# Altium PCB Motion_Driver_v2.PcbDoc (part 1 of 2)
Units mil, origin at the board's own origin, x right, y up, seen from the top; angles counter-clockwise.
Board outline 3947.73 x 2945.74 mil, 2 copper layers (Top Layer, Bottom Layer); 132 components, 83 nets, 409 pads, 694 vias.
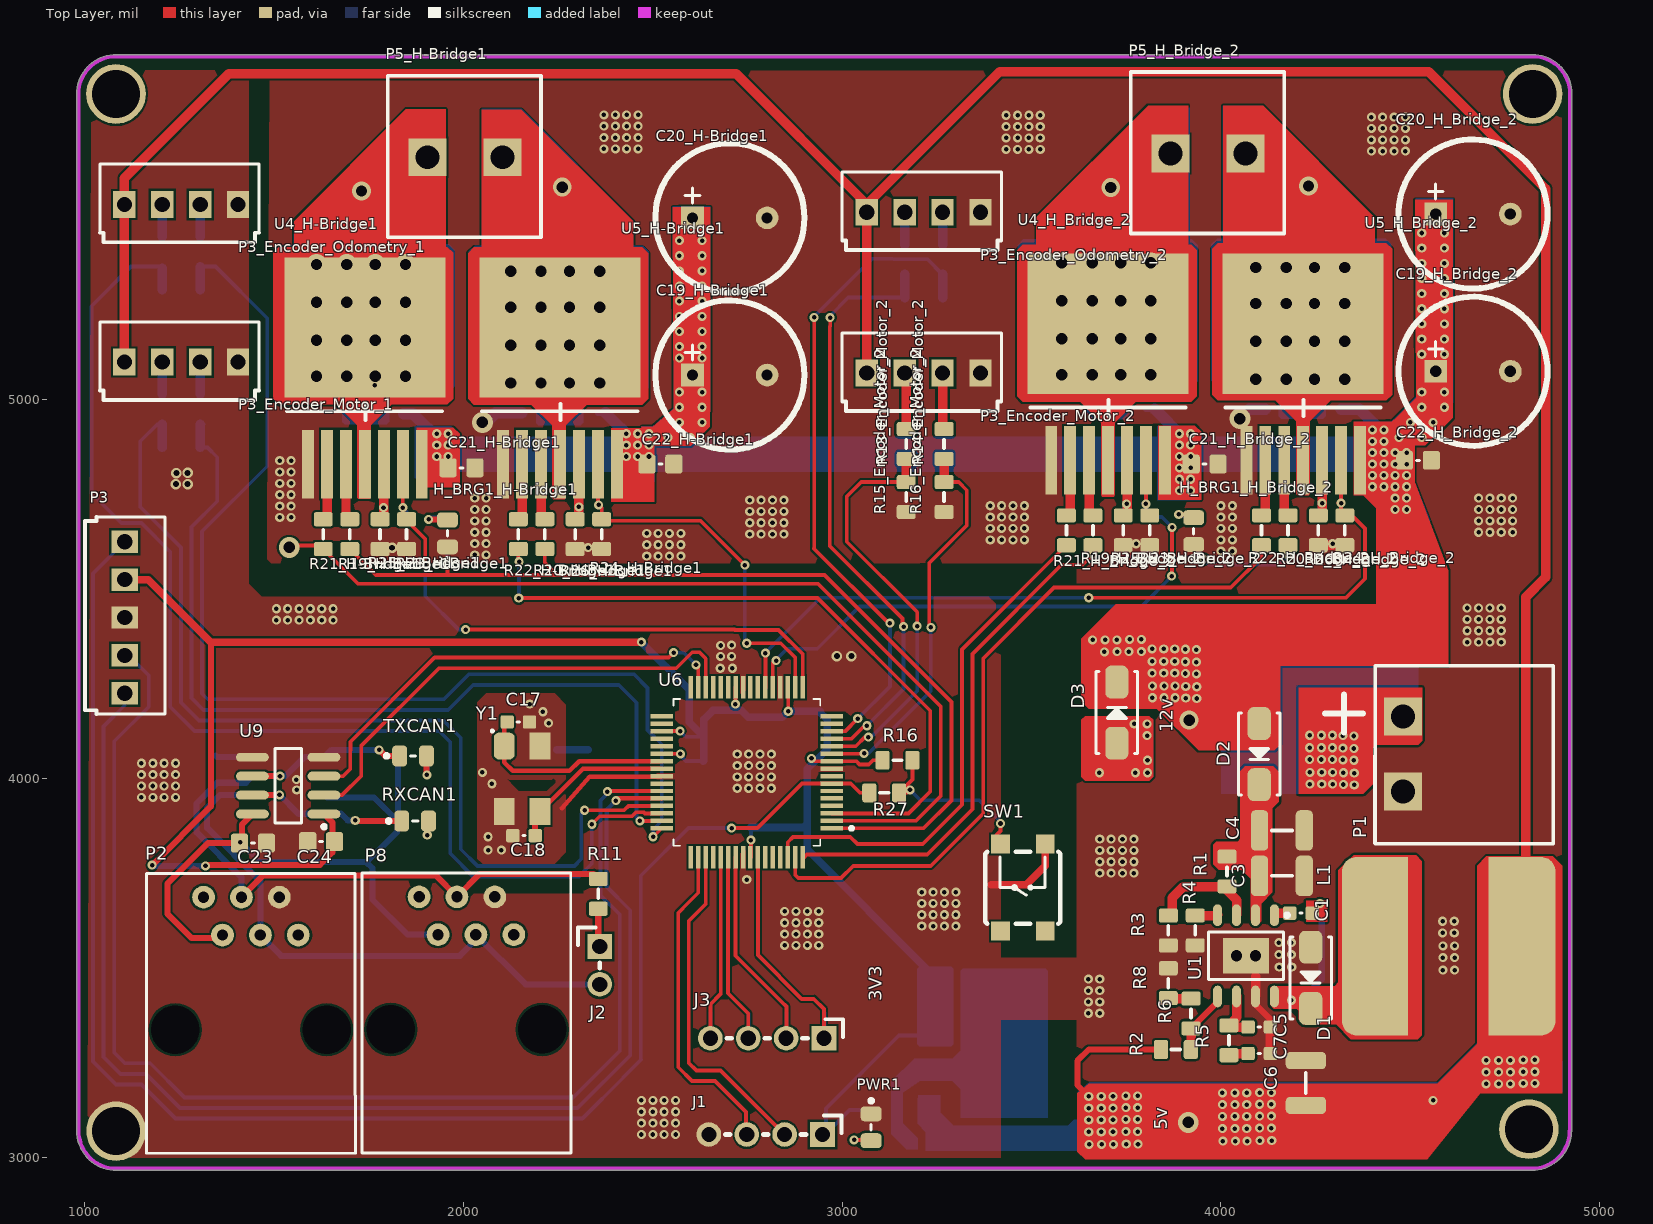
[diagram p0: Top Layer view]
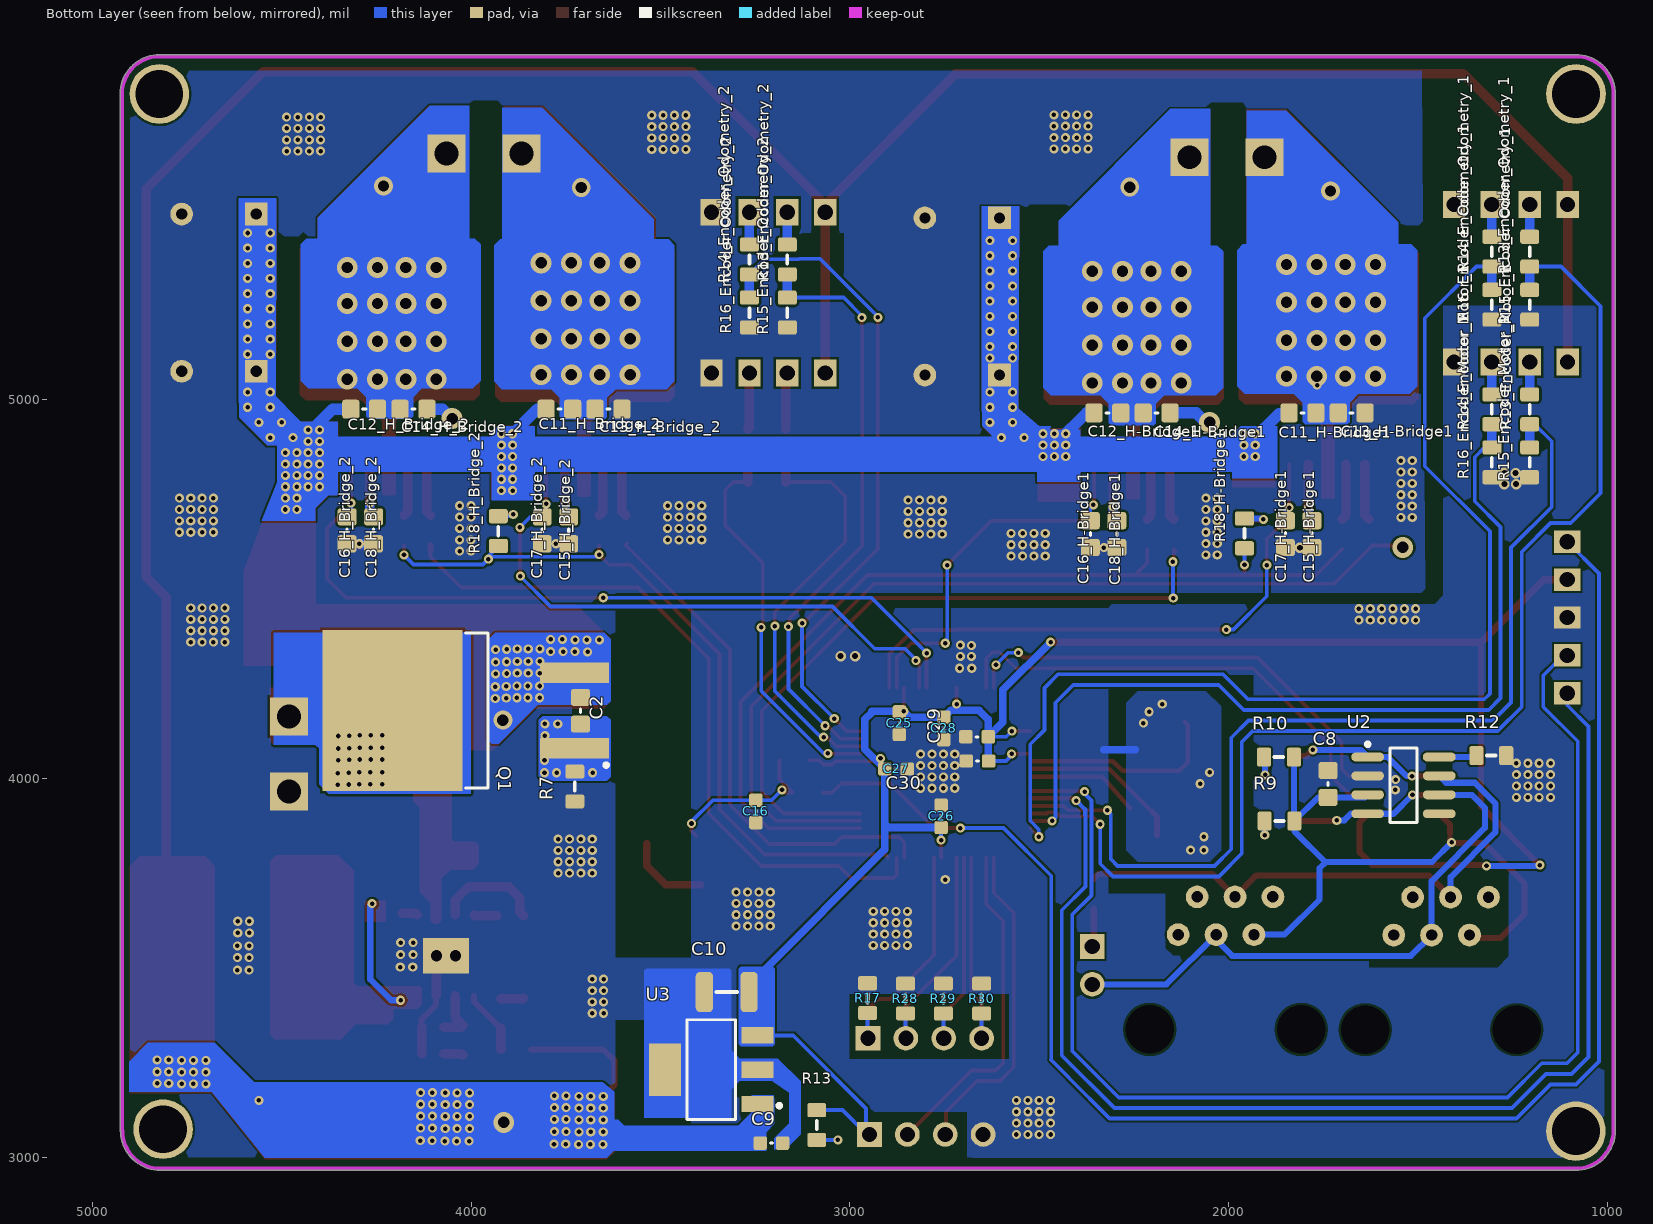
[diagram p1: Bottom Layer view, seen from below]
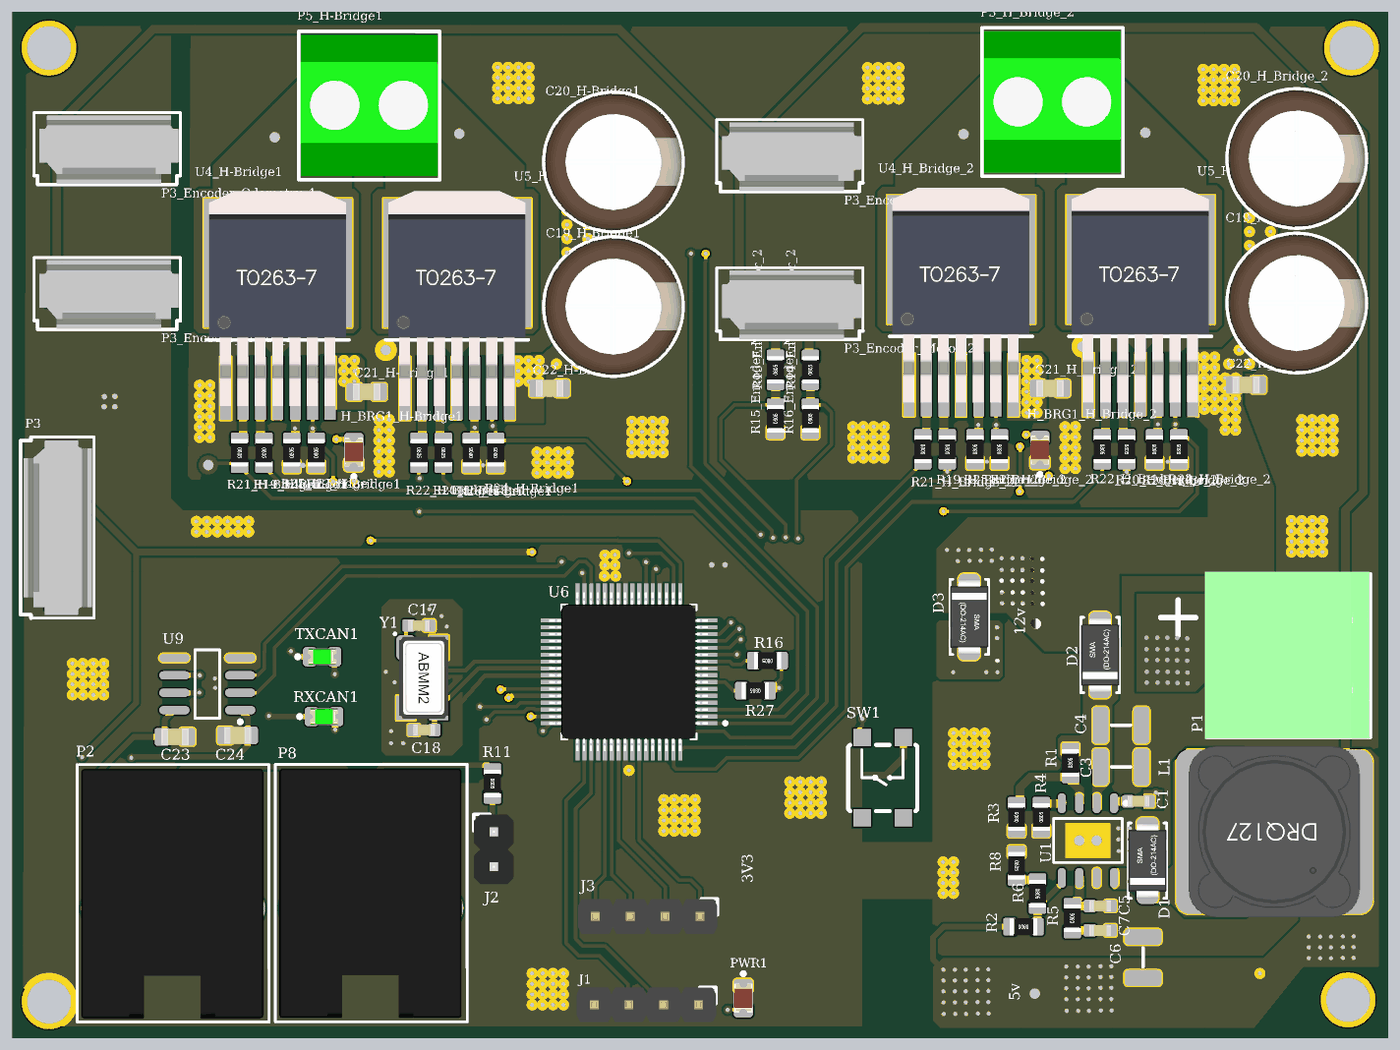
[diagram p3: 3D render of the assembled board from above, using the file's embedded part models]
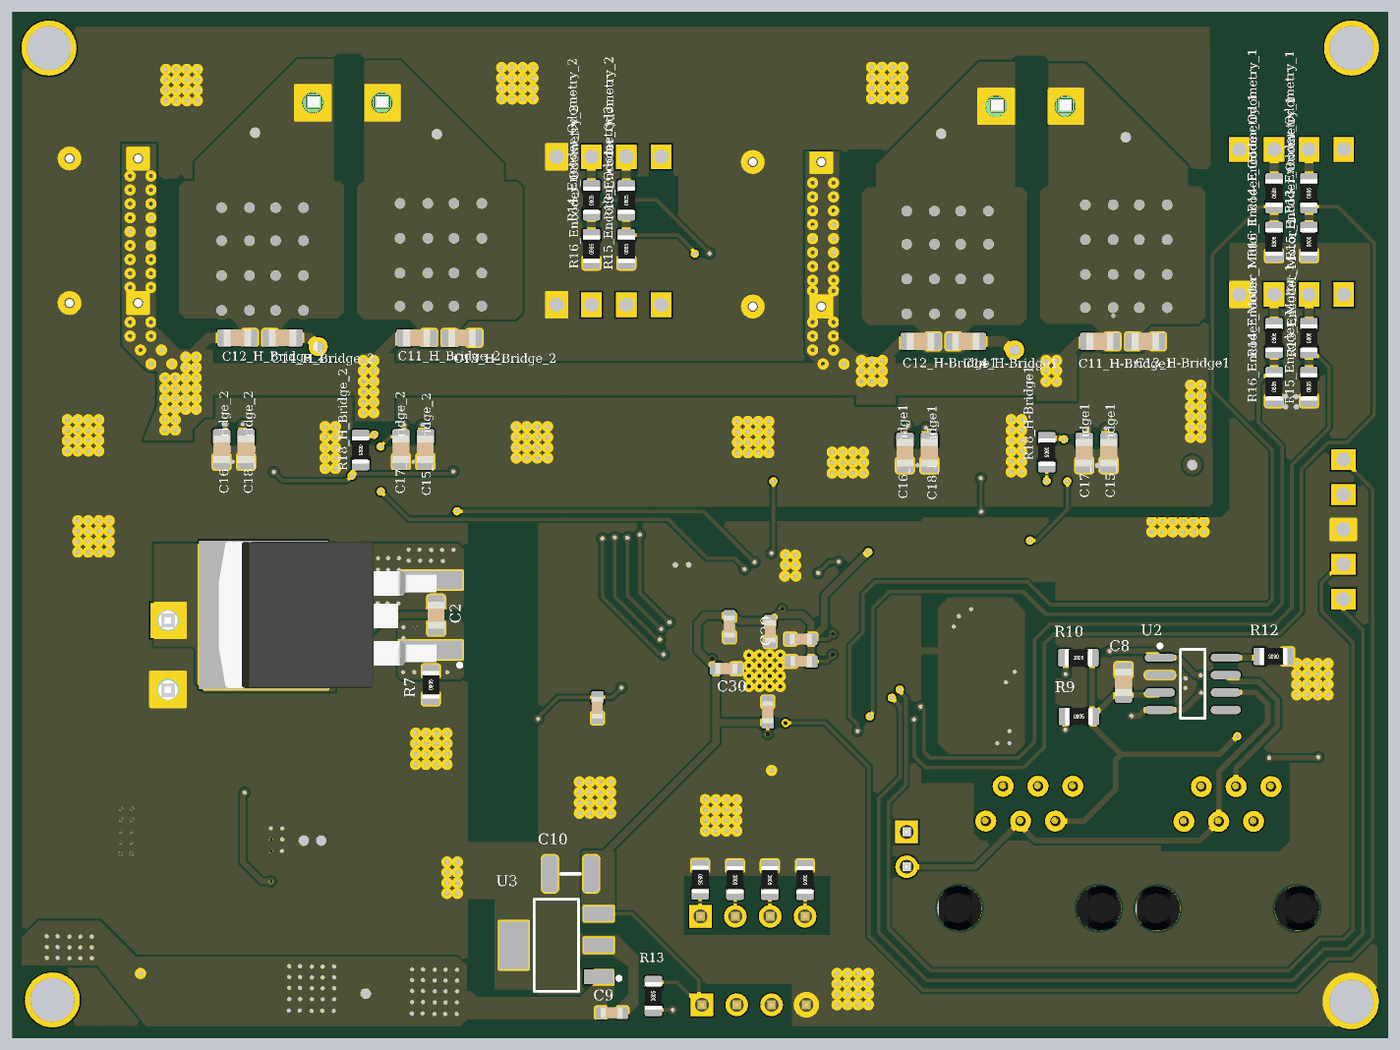
[diagram p4: 3D render of the assembled board from below, using the file's embedded part models]

## Layer stack, top to bottom
Top Solder: solder mask 0.4, Solder Resist, Dk 3.5
Top Layer: signal copper 1.4
Dielectric 1: dielectric 12.6, FR-4, Dk 4.8
Bottom Layer: signal copper 1.4
Bottom Solder: solder mask 0.4, Solder Resist, Dk 3.5

## Board outline
1083.89,2965.13 cw(c1083.01,3068.91) 979.24,3070.03 cw(c1083.01,3068.91) 979.24,3070.06 979.24,3070 979.24,5804.42 cw(c983.91,5806.25) 978.89,5806.21 cw(c1082.68,5807.09) 1083.82,5910.87 cw(c1083.77,5905.85) 1085.59,5910.53 4820.17,5910.53 cw(c4822,5905.86) 4821.95,5910.87 cw(c4822.83,5807.09) 4926.62,5807.09 cw(c4822.83,5807.09) 4926.62,5805.94 cw(c4921.6,5806) 4926.27,5804.18 4926.27,3070 cw(c4921.26,3070) 4924.99,3066.65 cw(c4821.23,3069.16) 4820.11,2965.38 cw(c4821.23,3069.16) 4820.09,2965.38 4820.14,2965.38 1085.41,2965.38 cw(c1083.85,2970.15)

## Design rules (kind name [scope] priority, off if disabled: settings)
Clearance [All] p1: gap=6 ignorepadtopadclearanceinfootprint=FALSE
PolygonConnect [All] p1: connectstyle=Direct reliefconductorwidth=10 reliefentries=4 polygonreliefangle="90 Angle" airgapwidth=10
RoomDefinition Oscillator [InComponentClass('Oscillator')] p1: confinementstyle=ConfineIn formatcopy=TRUE lockcomponents=FALSE outline 2270,3779 2270,4226 2022,4226 2022,3779
RoomDefinition Reset [InComponentClass('Reset')] p2: confinementstyle=ConfineIn formatcopy=TRUE lockcomponents=FALSE outline 3591,3557 3591,4220 2968.6,4220 2968.6,3557
RoomDefinition 3v3_PowerSupply [InComponentClass('3v3_PowerSupply')] p3: confinementstyle=ConfineIn formatcopy=TRUE lockcomponents=FALSE outline 3575,2997 3575,3507 3136,3507 3136,2997
RoomDefinition CANbus [InComponentClass('CANbus')] p4: confinementstyle=ConfineIn formatcopy=TRUE lockcomponents=FALSE outline 1157,3004 2418,3004 2418,4112.74 1157,4112.74
RoomDefinition Encoder_Odometry_2 [InComponentClass('Encoder_Odometry_2')] p5: confinementstyle=ConfineIn formatcopy=TRUE lockcomponents=FALSE outline 2990,5608.11 2990,5160 3430,5160 3430,5608.11
RoomDefinition Encoder_Odometry_1 [InComponentClass('Encoder_Odometry_1')] p6: confinementstyle=ConfineIn formatcopy=TRUE lockcomponents=FALSE outline 1030,5628.74 1030,5180.63 1470,5180.63 1470,5628.74
RoomDefinition Encoder_Motor_1 [InComponentClass('Encoder_Motor_1')] p7: confinementstyle=ConfineIn formatcopy=TRUE lockcomponents=FALSE outline 1030,5212.48 1030,4764.37 1470,4764.37 1470,5212.48
RoutingVias [All] p1: holewidth=12 width=24 viastyle="Through Hole" minholewidth=12 minwidth=24 maxholewidth=12 maxwidth=24
SolderMaskExpansion [All] p1: expansion=4 soldermaskfromhole=TRUE
Width [All] p1: maxlimit=50 minlimit=10 preferedwidth=10
30 further rules are at their usual default settings.

## Classes and differential pairs
component class 3V3_PowerSupply: C9 C10 U3
component class 5V_PowerSupply: C1 C2 C3 C4 C5 C6 C7 D1 D2 D3 L1 P1 Q1 R1 R2 R3 R4 R5 R6 R7 R8 U1
component class CANbus: C8 C23 C24 J2 P2 P8 R9 R10 R11 R12 RXCAN1 TXCAN1 U2 U9
component class Encoder_Motor_1: P3_Encoder_Motor_1 R13_Encoder_Motor_1 R14_Encoder_Motor_1 R15_Encoder_Motor_1 R16_Encoder_Motor_1 R24_Encoder_Motor_1 R25_Encoder_Motor_1 R26_Encoder_Motor_1 R27_Encoder_Motor_1 R?_Encoder_Motor_1
component class Encoder_Motor_2: P3_Encoder_Motor_2 R13_Encoder_Motor_2 R14_Encoder_Motor_2 R15_Encoder_Motor_2 R16_Encoder_Motor_2 R24_Encoder_Motor_2 R25_Encoder_Motor_2 R26_Encoder_Motor_2 R27_Encoder_Motor_2 R?_Encoder_Motor_2
component class Encoder_Odometry_1: P3_Encoder_Odometry_1 R13_Encoder_Odometry_1 R14_Encoder_Odometry_1 R15_Encoder_Odometry_1 R16_Encoder_Odometry_1 R24_Encoder_Odometry_1 R25_Encoder_Odometry_1 R26_Encoder_Odometry_1 R27_Encoder_Odometry_1 R?_Encoder_Odometry_1
component class Encoder_Odometry_2: P3_Encoder_Odometry_2 R13_Encoder_Odometry_2 R14_Encoder_Odometry_2 R15_Encoder_Odometry_2 R16_Encoder_Odometry_2 R24_Encoder_Odometry_2 R25_Encoder_Odometry_2 R26_Encoder_Odometry_2 R27_Encoder_Odometry_2 R?_Encoder_Odometry_2
component class H-Bridge1: C11_H-Bridge1 C12_H-Bridge1 C12_H_Bridge_1 C13_H-Bridge1 C13_H_Bridge_1 C14_H-Bridge1 C14_H_Bridge_1 C15_H-Bridge1 C15_H_Bridge_1 C16_H-Bridge1 C16_H_Bridge_1 C17_H-Bridge1 C17_H_Bridge_1 C18_H-Bridge1 C18_H_Bridge_1 C19_H-Bridge1 C19_H_Bridge_1 C20_H-Bridge1 C20_H_Bridge_1 C21_H-Bridge1 C21_H_Bridge_1 C22_H-Bridge1 C22_H_Bridge_1 C?_H_Bridge_1 H_BRG1_H-Bridge1 P5_H-Bridge1 R18_H-Bridge1 R19_H-Bridge1 R19_H_Bridge_1 R20_H-Bridge1 R20_H_Bridge_1 R21_H-Bridge1 R21_H_Bridge_1 R22_H-Bridge1 R22_H_Bridge_1 R23_H-Bridge1 R23_H_Bridge_1 R24_H-Bridge1 R24_H_Bridge_1 R25_H-Bridge1 R25_H_Bridge_1 R26_H-Bridge1 R26_H_Bridge_1 R?_H_Bridge_1 U4_H-Bridge1 U5_H-Bridge1 U5_H_Bridge_1 U?_H_Bridge_1
component class H_Bridge_2: C11_H_Bridge_2 C12_H_Bridge_2 C13_H_Bridge_2 C14_H_Bridge_2 C15_H_Bridge_2 C16_H_Bridge_2 C17_H_Bridge_2 C18_H_Bridge_2 C19_H_Bridge_2 C20_H_Bridge_2 C21_H_Bridge_2 C22_H_Bridge_2 C?_H_Bridge_2 H_BRG1_H_Bridge_2 P5_H_Bridge_2 R18_H_Bridge_2 R19_H_Bridge_2 R20_H_Bridge_2 R21_H_Bridge_2 R22_H_Bridge_2 R23_H_Bridge_2 R24_H_Bridge_2 R25_H_Bridge_2 R26_H_Bridge_2 R?_H_Bridge_2 U4_H_Bridge_2 U5_H_Bridge_2 U?_H_Bridge_2
component class Motion_Driver_v2: C25 C26 C27 C28 C29 C30 J1 J3 P3 PWR1 R13 R17 R28 R29 R30 U6
channel class Encoder: Encoder_Motor_1 Encoder_Motor_2 Encoder_Odometry_1 Encoder_Odometry_2
channel class H_Bridge: H-Bridge1 H_Bridge_2
component class Reset: C16 R16 R27 SW1
component class Oscillator: C17 C18 Y1

## Components (designator, comment, footprint, x,y, rotation, side; value= is the part's Value field where it differs from the comment)
C1 "100n" CER_0603 4211.06,3644.34 r90 top
C2 "100nF" CER_0805 3711.06,4178.71 r0 bottom
C3 "2.2uF" CER_1210 4162,3743 r270 top
C4 "2.2uF" CER_1210 4162,3863 r270 top
C5 "68p" CER_0603 4101.06,3343.71 r270 top
C6 "100uF" CER_1210 4224,3197 r0 top
C7 "15n" CER_0603 4101.06,3273.71 r270 top
C8 "100n" CER_0805 1737.4,3985.39 r180 bottom
C9 "100n" CER_0603 3207,3037 r270 bottom
C10 "10uF" TANT_1210 3324.05,3436.12 r270 bottom
C11_H-Bridge1 "220nF" CER_0805 1805,4965 r270 bottom (schematic designator C11)
C11_H_Bridge_2 "220nF" CER_0805 3767,4975 r270 bottom (schematic designator C11)
C12_H-Bridge1 "220nF" CER_0805 2320,4965 r90 bottom (schematic designator C12)
C12_H_Bridge_2 "220nF" CER_0805 4282,4975 r90 bottom (schematic designator C12)
C13_H-Bridge1 "220nF" CER_0805 1675,4965 r270 bottom (schematic designator C13)
C13_H_Bridge_2 "220nF" CER_0805 3637,4975 r270 bottom (schematic designator C13)
C14_H-Bridge1 "220nF" CER_0805 2190,4965 r270 bottom (schematic designator C14)
C14_H_Bridge_2 "220nF" CER_0805 4152,4975 r270 bottom (schematic designator C14)
C15_H-Bridge1 "1nF" CER_0805 1850,4645 r0 bottom (schematic designator C15)
C15_H_Bridge_2 "1nF" CER_0805 3812,4655 r0 bottom (schematic designator C15)
C16 "100n" CER_0603 3248,3913 r0 bottom
C16_H-Bridge1 "1nF" CER_0805 2365,4645 r0 bottom (schematic designator C16)
C16_H_Bridge_2 "1nF" CER_0805 4327,4655 r0 bottom (schematic designator C16)
C17 "20pF" CER_0603 2145,4149 r270 top
C17_H-Bridge1 "100nF" CER_0805 1780,4645 r0 bottom (schematic designator C17)
C17_H_Bridge_2 "100nF" CER_0805 3742,4655 r0 bottom (schematic designator C17)
C18 "20pF" CER_0603 2160,3849 r90 top
C18_H-Bridge1 "100nF" CER_0805 2295,4645 r0 bottom (schematic designator C18)
C18_H_Bridge_2 "100nF" CER_0805 4257,4655 r0 bottom (schematic designator C18)
C19_H-Bridge1 "470uF" CAP10X20_RADIAL 2605,5065 r0 top (schematic designator C19)
C19_H_Bridge_2 "470uF" CAP10X20_RADIAL 4567,5075 r0 top (schematic designator C19)
C20_H-Bridge1 "470uF" CAP10X20_RADIAL 2605,5480 r0 top (schematic designator C20)
C20_H_Bridge_2 "470uF" CAP10X20_RADIAL 4567,5490 r0 top (schematic designator C20)
C21_H-Bridge1 "100nF" CER_0805 1995,4820 r270 top (schematic designator C21)
C21_H_Bridge_2 "100nF" CER_0805 3957,4830 r270 top (schematic designator C21)
C22_H-Bridge1 "100nF" CER_0805 2520,4830 r270 top (schematic designator C22)
C22_H_Bridge_2 "100nF" CER_0805 4520,4840 r270 top (schematic designator C22)
C23 "100n" CER_0805 1624.4,3833.39 r90 top
C24 "100n" CER_0805 1444.4,3829.39 r270 top
C25 "100n" CER_0603 2869,4146 r0 bottom
C26 "100n" CER_0603 2759,3900 r180 bottom
C27 "100n" CER_0603 2878,4025 r270 bottom
C28 "100n" CER_0603 2752,4132 r0 bottom
C29 "100n" CER_0603 2664,4110 r90 bottom
C30 "100n" CER_0603 2663,4046 r90 bottom
D1 "B360B" DO214AC 4237,3473.71 r90 top
D2 "SK34" DO214AC 4101.06,4064.34 r90 top
D3 "12V" DO214AC 3725.11,4173.71 r270 top
H_BRG1_H-Bridge1 "LED RED" LED_RED_0805 1958.01,4647 r90 top (schematic designator H_BRG1)
H_BRG1_H_Bridge_2 "LED RED" LED_RED_0805 3928,4653 r90 top (schematic designator H_BRG1)
J1 "UART" HM1X4 2798,3060 r180 top
J2 "*" HM1x2 2360,3506.37 r270 top
J3 "EXTINT" HM1X4 2802,3314 r180 top
L1 "10uH" INDUCTOR_SS1260-103MLD 4600,3572 r180 top
P1 "2EDGRC-5.08-02P-14-00A(H)" PWR_Con 4481.06,3965.71 r0 top
P2 "RJ-11" RJ11-6N-B 1462,3403.43 r90 top
P3 "PICKIT" "TE CONNECTIVITY_5PIN_MALE" 1106,4625 r270 top
P3_Encoder_Motor_1 "TE CONNECTIVITY_4PIN_MALE" "TE CONNECTIVITY_4PIN_MALE" 1105,5099.37 r0 top (schematic designator P3)
P3_Encoder_Motor_2 "TE CONNECTIVITY_4PIN_MALE" "TE CONNECTIVITY_4PIN_MALE" 3065,5070 r0 top (schematic designator P3)
P3_Encoder_Odometry_1 "TE CONNECTIVITY_4PIN_MALE" "TE CONNECTIVITY_4PIN_MALE" 1105,5515.63 r0 top (schematic designator P3)
P3_Encoder_Odometry_2 "TE CONNECTIVITY_4PIN_MALE" "TE CONNECTIVITY_4PIN_MALE" 3065,5495 r0 top (schematic designator P3)
P5_H-Bridge1 "*" MOTOR_CON 1905,5640 r270 top (schematic designator P5)
P5_H_Bridge_2 "*" MOTOR_CON 3867,5650 r270 top (schematic designator P5)
P8 "#NAME?" RJ11-6N-B 2031,3404.37 r90 top
PWR1 "LED RED" LED_RED_0805 3076.32,3079 r270 top
Q1 "IRF9540NSPBF" D2PAK-2 3890.11,4181.74 r90 bottom
R1 "330k" RESC2013X38N-0805-NOOVERLAY 4016.06,3754.34 r180 top
R2 "51k" RESC2013X38N-0805-NOOVERLAY 3881.06,3284.34 r270 top
R3 "56k" RESC2013X38N-0805-NOOVERLAY 3861.06,3598.71 r180 top
R4 "160k" RESC2013X38N-0805-NOOVERLAY 3932,3598.71 r180 top
R5 "15k" RESC2013X38N-0805-NOOVERLAY 4021.06,3308.71 r180 top
R6 "9.1k" RESC2013X38N-0805-NOOVERLAY 3921.06,3379.34 r0 top
R7 "2.7k" RESC2013X38N-0805-NOOVERLAY 3726.06,3978.71 r0 bottom
R8 "620R" RESC2013X38N-0805-NOOVERLAY 3861.06,3459.34 r0 top
R9 "1k" RESC2013X38N-0805-NOOVERLAY 1865.51,3887.59 r90 bottom
R10 "1k" RESC2013X38N-0805-NOOVERLAY 1867.09,4056.39 r90 bottom
R11 "120R" RESC2013X38N-0805-NOOVERLAY 2356,3695.37 r0 top
R12 "10k" RESC2013X38N-0805-NOOVERLAY 1306.4,4060.39 r270 bottom
R13 "1k" RESC2013X38N-0805-NOOVERLAY 3087.32,3085 r0 bottom
R13_Encoder_Motor_1 "2k" RESC2013X38N-0805-NOOVERLAY 1205,4974.37 r0 bottom (schematic designator R13)
R13_Encoder_Motor_2 "2k" RESC2013X38N-0805-NOOVERLAY 3169,4883 r180 top (schematic designator R13)
R13_Encoder_Odometry_1 "2k" RESC2013X38N-0805-NOOVERLAY 1205,5390.63 r0 bottom (schematic designator R13)
R13_Encoder_Odometry_2 "2k" RESC2013X38N-0805-NOOVERLAY 3165,5370 r0 bottom (schematic designator R13)
R14_Encoder_Motor_1 "2k" RESC2013X38N-0805-NOOVERLAY 1305,4974.37 r0 bottom (schematic designator R14)